# Altium PCB MainBoard_Layout_V2.PcbDoc (part 1 of 3) (continued)
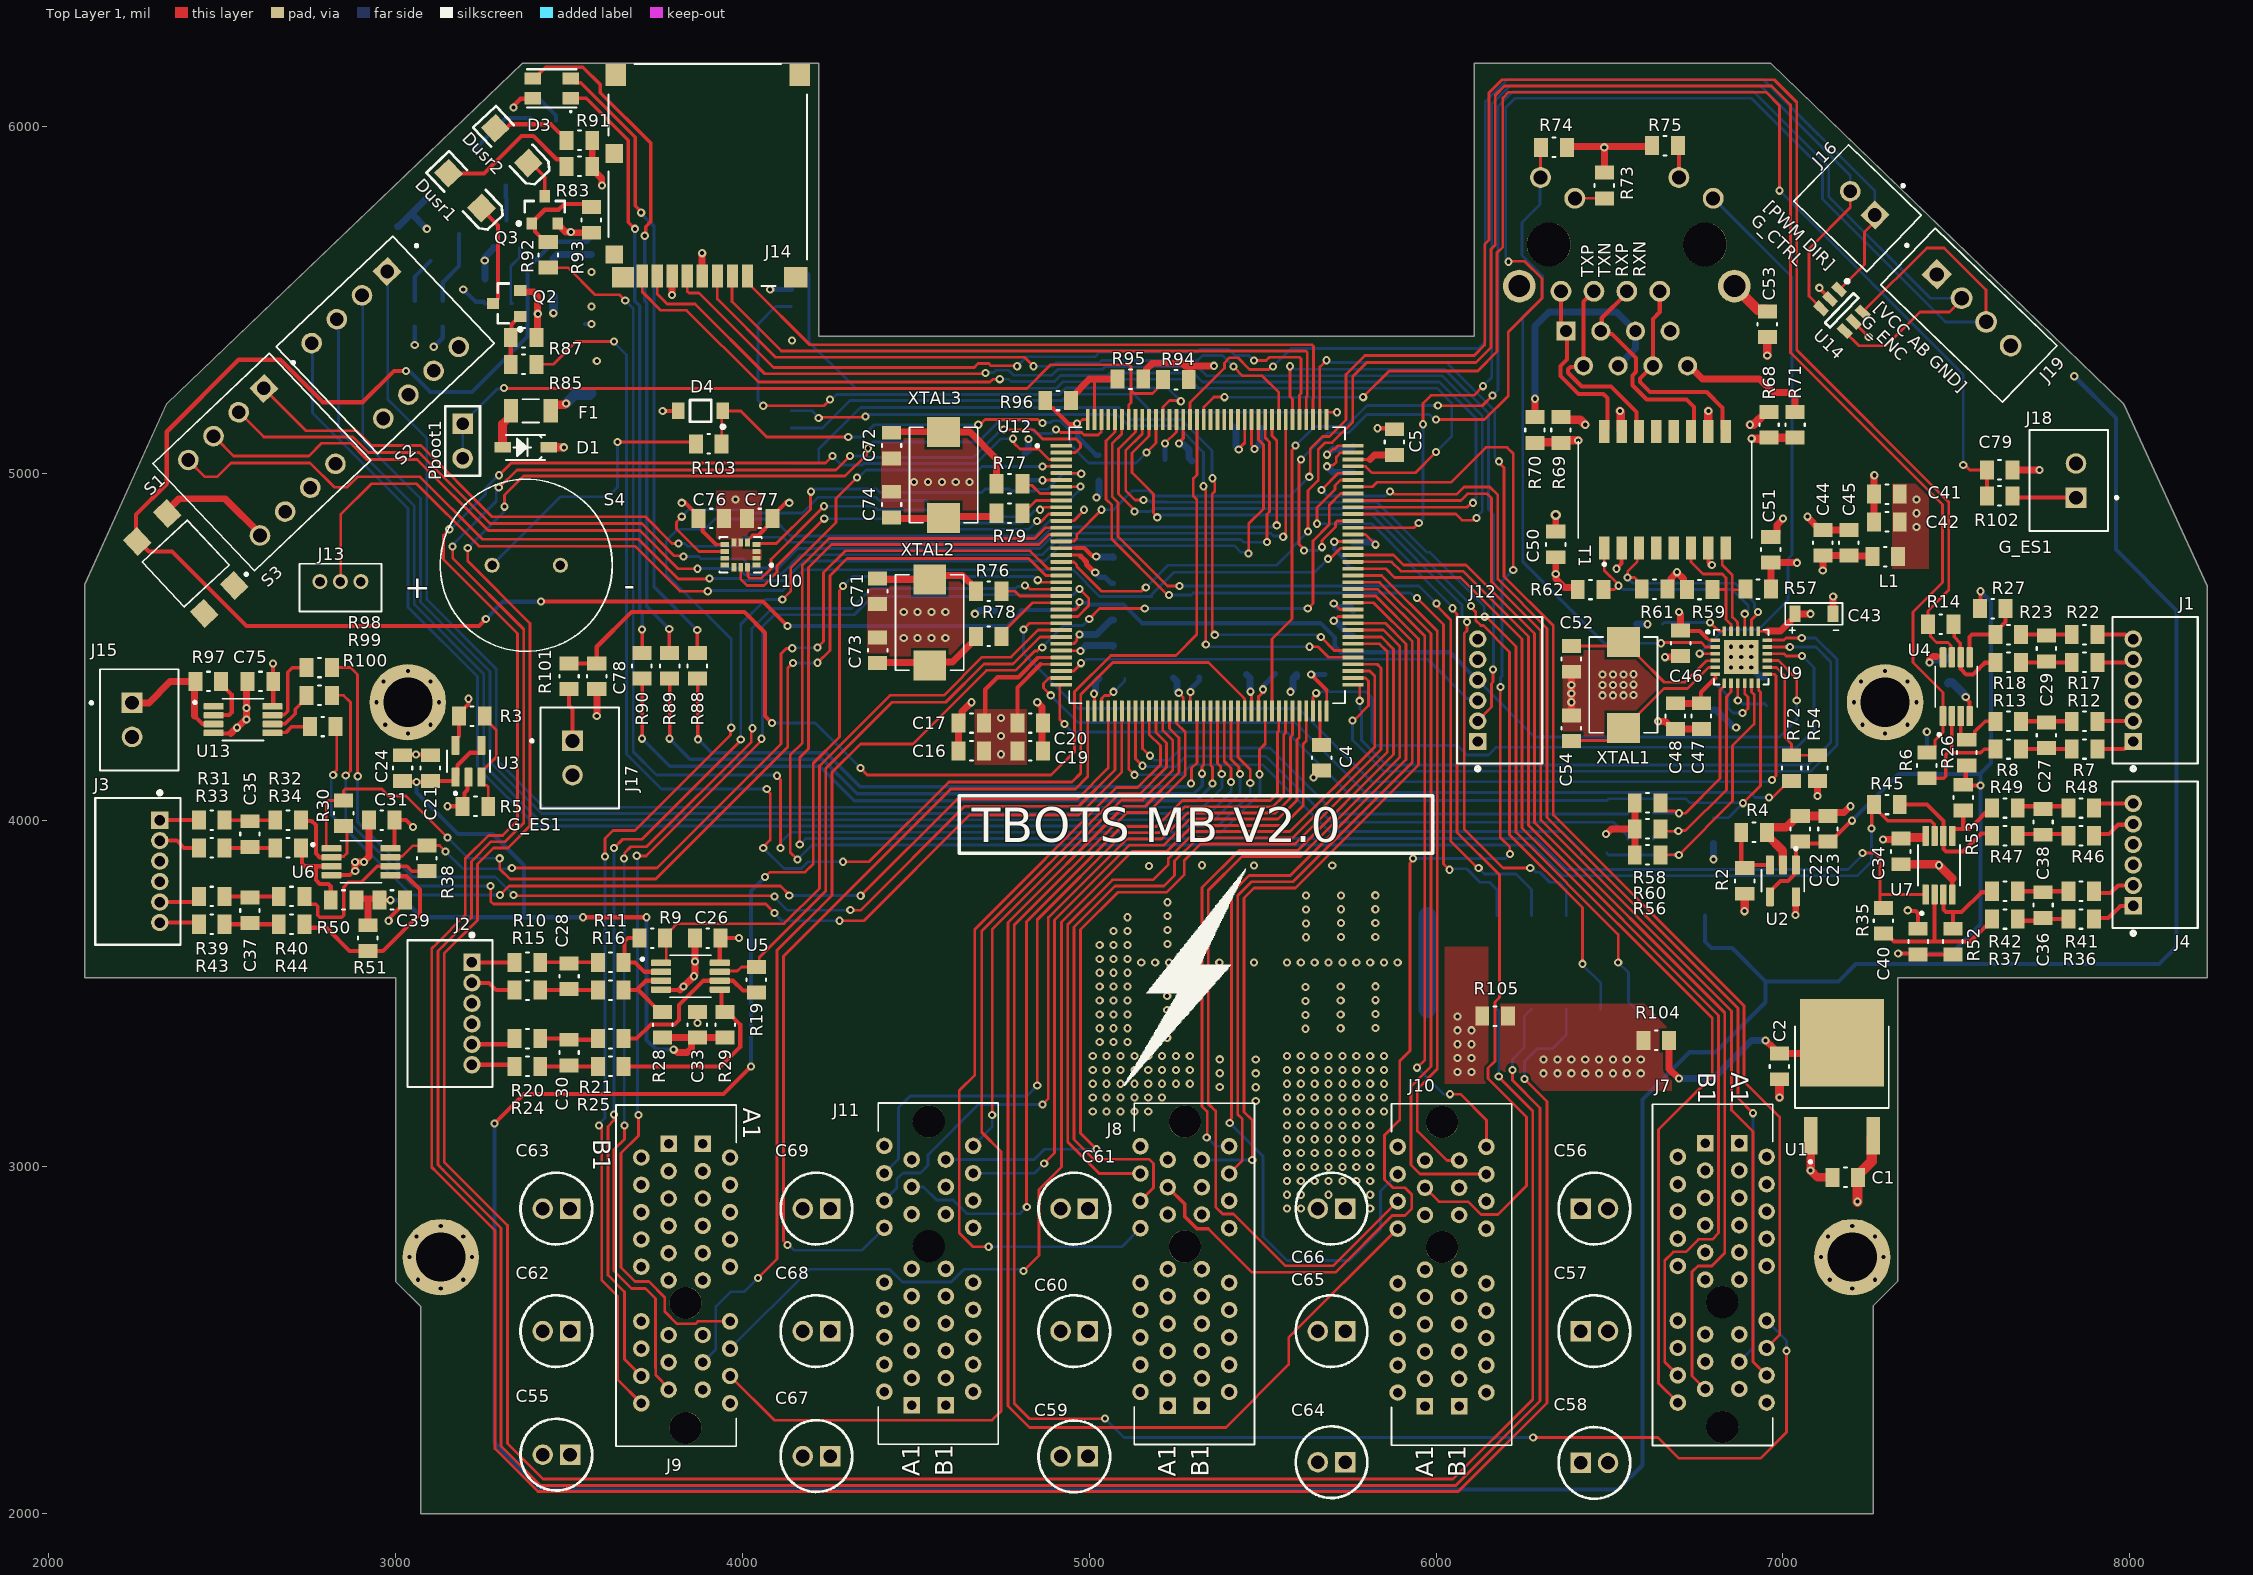
[diagram p0: Top Layer 1 view]
## Components (designator, comment, footprint, x,y, rotation, side; value= is the part's Value field where it differs from the comment)
C1 "10uF 10V" 0805 7180,2970 r180 top value=10uF
C2 "10uF 10V" 0805 6990,3290 r270 top value=10uF
C3 "4.7uF" 0805 5070,4720 r270 bottom
C4 "10uF 10V" 0805 5670,4180 r270 top value=10uF
C5 "10uF 10V" 0805 5880,5090 r90 top value=10uF
C6 "100nF 50V" 0805 5280,4410 r0 bottom value=100nF
C7 "100nF 50V" 0805 5760.47,4568 r90 bottom value=100nF
C8 "100nF 50V" 0805 5065.18,4408.38 r0 bottom value=100nF
C9 "100nF 50V" 0805 5070,4540 r90 bottom value=100nF
C10 "100nF 50V" 0805 5460,5130 r180 bottom value=100nF
C11 "100nF 50V" 0805 5030,5028 r90 bottom value=100nF
C12 "100nF 50V" 0805 5250,5035 r180 bottom value=100nF
C13 "100nF 50V" 0805 5490,4420 r0 bottom value=100nF
C14 "100nF 50V" 0805 5760.47,5040.12 r90 bottom value=100nF
C15 "100nF 50V" 0805 5635,4420 r0 bottom value=100nF
C16 "1uF 50V" 0805 4660,4200 r0 top value=1uF
C17 "100nF 50V" 0805 4660,4280 r0 top value=100nF
C18 "100nF 50V" 0805 4810,5020 r270 bottom value=100nF
C19 "1uF 50V" 0805 4830,4200 r180 top value=1uF
C20 "100nF 50V" 0805 4830,4280 r180 top value=100nF
C21 "1uF 50V" 0805 3100,4150 r90 top value=1uF
C22 "1uF 50V" 0805 7050,3975 r90 top value=1uF
C23 "0.010uF" 0805 7130,3975 r90 top
C24 "0.010uF" 0805 3020,4150 r90 top
C25 "0.010uF" 0805 7480,4435 r270 bottom
C26 "0.010uF" 0805 3900,3660 r180 top
C27 "100nF 50V" 0805 7760,4245 r90 top value=100nF
C28 "100nF 50V" 0805 3500,3550 r270 top value=100nF
C29 "100nF 50V" 0805 7760,4495 r90 top value=100nF
C30 "100nF 50V" 0805 3500,3330 r270 top value=100nF
C31 "0.010uF" 0805 2960,4000 r180 top
C32 "1uF 50V" 0805 7415,4170 r90 bottom value=1uF
C33 "1uF 50V" 0805 3870,3410 r270 top value=1uF
C34 "0.010uF" 0805 7340,3910 r270 top
C35 "100nF 50V" 0805 2580,3960 r270 top value=100nF
C36 "100nF 50V" 0805 7750,3755 r90 top value=100nF
C37 "100nF 50V" 0805 2580,3740 r270 top value=100nF
C38 "100nF 50V" 0805 7750,3995 r90 top value=100nF
C39 "1uF 50V" 0805 2990,3770 r0 top value=1uF
C40 "1uF 50V" 0805 7390,3650 r90 top value=1uF
C41 "1uF 50V" 0805 7300,4940 r0 top value=1uF
C42 "100nF 50V" 0805 7300,4860 r0 top value=100nF
C43 "10uF 10V" "1206 Polarized" 7026.89,4563.5 r0 top value=10uF
C44 "100nF 50V" 0805 7115,4800 r270 top value=100nF
C45 "100nF 50V" 0805 7190,4800 r270 top value=100nF
C46 "100nF 50V" 0805 6705,4510 r270 top value=100nF
C47 "470pF" 0805 6765,4300 r90 top
C48 "1uF 50V" 0805 6690,4300 r90 top value=1uF
C49 "100nF 50V" 0805 6945,4375 r270 bottom value=100nF
C50 "100nF 50V" 0805 6345,4795 r270 top value=100nF
C51 "100nF 50V" 0805 6965,4780 r270 top value=100nF
C52 "30pF 25V" 0805 6390,4465 r90 top value=30pF
C53 "1000pF" 0805 6955,5430 r270 top
C54 "30pF 25V" 0805 6390,4265 r270 top value=30pF
C55 "CAP POL 0.1uF 100V" CAPPRD200W50D525H1250 3502.9,2170.51 r180 top value=0.10uF
C56 "CAP POL 0.1uF 100V" CAPPRD200W50D525H1250 6417.17,2880 r0 top value=0.10uF
C57 "CAP POL 0.1uF 100V" CAPPRD200W50D525H1250 6417.17,2526.74 r0 top value=0.10uF
C58 "CAP POL 0.1uF 100V" CAPPRD200W50D525H1250 6417.17,2146.81 r0 top value=0.10uF
C59 "CAP POL 0.1uF 100V" CAPPRD200W50D525H1250 4996.21,2165.51 r180 top value=0.10uF
C60 "CAP POL 0.1uF 100V" CAPPRD200W50D525H1250 4996.21,2526.74 r180 top value=0.10uF
C61 "CAP POL 0.1uF 100V" CAPPRD200W50D525H1250 4996.21,2880 r180 top value=0.10uF
C62 "CAP POL 0.1uF 100V" CAPPRD200W50D525H1250 3502.9,2526.74 r180 top value=0.10uF
C63 "CAP POL 0.1uF 100V" CAPPRD200W50D525H1250 3502.9,2880 r180 top value=0.10uF
C64 "CAP POL 0.1uF 100V" CAPPRD200W50D525H1250 5737.82,2148.88 r180 top value=0.10uF
C65 "CAP POL 0.1uF 100V" CAPPRD200W50D525H1250 5737.82,2526.74 r180 top value=0.10uF
C66 "CAP POL 0.1uF 100V" CAPPRD200W50D525H1250 5737.82,2880 r180 top value=0.10uF
C67 "CAP POL 0.1uF 100V" CAPPRD200W50D525H1250 4252.77,2166.37 r180 top value=0.10uF
C68 "CAP POL 0.1uF 100V" CAPPRD200W50D525H1250 4252.77,2526.74 r180 top value=0.10uF
C69 "CAP POL 0.1uF 100V" CAPPRD200W50D525H1250 4252.77,2880 r180 top value=0.10uF
C70 "100nF 50V" 0805 4765,4605 r0 bottom value=100nF
C71 "5.6uF" 0805 4390,4660 r270 top
C72 "5.1pF 630V" 0805 4430,5080 r270 top value=5.1pF
C73 "5.6uF" 0805 4390,4490 r90 top
C74 "5.1pF 630V" 0805 4430,4910 r90 top value=5.1pF
C75 "0.10uF" 0805 2610,4400 r180 top
C76 "100nF 50V" 0805 3910,4870 r180 top value=100nF
C77 "100nF 50V" 0805 4050,4870 r0 top value=100nF
C78 "0.1uF 25V" 0805 3580,4415 r270 top value=0.1uF
C79 "0.1uF 25V" 0805 7625,5010 r0 top value=0.1uF
C80 "100nF 50V" 0805 5760.47,4764.53 r90 bottom value=100nF
D1 "SM5817PL-TP" SOD-123 3375,5075 r180 top
D3 "LED RGB CLEAR 4SMD 3528" "LED 4pin 3.5 x 2.8" 3450,6110 r0 top
D4 "3V3 ZENER" ONSC-SOD-123-2-425-04_V 3879.37,5180 r180 top
Dled1 "LED2" 3.2X1.6X1.1 3135,5740 r133.5 bottom
Dled2 "LED2" 3.2X1.6X1.1 3270,5880 r313.5 bottom
Dled3 "LED2" 3.2X1.6X1.1 3053.21,5662.09 r133.5 bottom
Dusr1 "LED2" 3.2X1.6X1.1 3200,5815 r313.5 top
Dusr2 "LED2" 3.2X1.6X1.1 3335,5945 r313.5 top
F1 "Fuse 3A 1206" 1206 3390,5180 r180 top
J1 "1.5mm" "6POS JST" 8010,4226.89 r90 top
J2 "1.5mm" "6POS JST" 3220,3590 r270 top
J3 "1.5mm" "6POS JST" 2320,4000 r270 top
J4 "1.5mm" "6POS JST" 8010,3752.83 r90 top
J5 "CN J00-0045NL" "RJ45 J00-0045NL" 6550,5660 r180 bottom
J6 "0.1\" Header Female 34" SAMTEC-SSM-117-X-DV 5975,3590 r0 bottom locked
J7 "CN PCIE 36 TH" "CN PCIE 36 TH" 6825,2610 r270 top
J8 "CN PCIE 36 TH" "CN PCIE 36 TH" 5275.56,2770.51 r90 top
J9 "CN PCIE 36 TH" "CN PCIE 36 TH" 3836.26,2608.03 r270 top
J10 "CN PCIE 36 TH" "CN PCIE 36 TH" 6017.17,2768.88 r90 top
J11 "CN PCIE 36 TH" "CN PCIE 36 TH" 4537.12,2771.37 r90 top
J12 "1.5mm" "6POS JST" 6120,4226.89 r90 top
J13 "CN 3POS JST B3B-ZR" "CN 3POS JST B3B-ZR" 2840.94,4688.07 r0 top
J14 "CONN MICRO SD CARD PUSH-PUSH R/A" "SD Connector 5027740891" 3900,5860 r0 top
J15 "B2B-XH-A(LF)(SN)" JST_B2B-XH-A(LF)(SN) 2260.67,4289.19 r270 top
J16 "B2B-XH-A(LF)(SN)" JST_B2B-XH-A(LF)(SN) 7215.24,5764.32 r136 top
J17 "B2B-XH-A(LF)(SN)" JST_B2B-XH-A(LF)(SN) 3530.67,4179.21 r270 top
J18 "B2B-XH-A(LF)(SN)" JST_B2B-XH-A(LF)(SN) 7824.33,4979.21 r90 top
J19 "CN 4POS JST XH" JST_B4B-XH-A(LF)(SN) 7444.2,5573.37 r316 top
L1 "IND 100UH 50MA 4 OHM SMD" 0805 7295,4760 r180 top value=100uH
Pboot1 "Header 2" HDR1X2 3193.24,5143.24 r270 top
Q1 "BSS64LT1" ONSC-SOT-23-3-318-08_V 3320,5690 r90 bottom
Q2 "BSS64LT1" ONSC-SOT-23-3-318-08_V 3320,5490 r180 top
Q3 "BSS64LT1" ONSC-SOT-23-3-318-08_V 3430,5760 r90 top
R1 "182" 0805 3135.86,5460.86 r270 bottom
R2 "100k" 0805 6890,3825 r270 top
R3 "100k" 0805 3220,4300 r180 top
R4 "100k" 0805 6917,3965 r180 top
R5 "100k" 0805 3230,4040 r0 top
R6 "64.9k" 0805 7415,4158 r270 top
R7 "330" 0805 7870,4205 r0 top
R8 "100k" 0805 7650,4205 r0 top
R9 "64.9k" 0805 3740,3660 r180 top
R10 "330" 0805 3380,3590 r180 top
R11 "100k" 0805 3620,3590 r180 top
R12 "330" 0805 7870,4285 r0 top
R13 "100k" 0805 7650,4285 r0 top
R14 "64.9k" 0805 7455,4565 r0 top
R15 "330" 0805 3380,3510 r180 top
R16 "100k" 0805 3620,3510 r180 top
R17 "330" 0805 7870,4455 r0 top
R18 "100k" 0805 7650,4455 r0 top
R19 "64.9k" 0805 4040,3540 r270 top
R20 "330" 0805 3380,3370 r180 top
R21 "100k" 0805 3620,3370 r180 top
R22 "330" 0805 7870,4535 r0 top
R23 "100k" 0805 7650,4535 r0 top
R24 "330" 0805 3380,3290 r180 top
R25 "100k" 0805 3620,3290 r180 top
R26 "64.9k" 0805 7530,4195 r270 top
R27 "64.9k" 0805 7605,4610 r180 top
R28 "64.9k" 0805 3770,3410 r270 top
R29 "64.9k" 0805 3950,3410 r270 top
R30 "64.9k" 0805 2850,4020 r270 top
R31 "330" 0805 2470,4000 r180 top
R32 "100k" 0805 2690,4000 r180 top
R33 "330" 0805 2470,3920 r180 top
R34 "100k" 0805 2690,3920 r180 top
R35 "64.9k" 0805 7290,3710 r270 top
R36 "330" 0805 7860,3715 r0 top
R37 "100k" 0805 7640,3715 r0 top
R38 "64.9k" 0805 3090,3890 r270 top
R39 "330" 0805 2470,3780 r180 top
R40 "100k" 0805 2700,3780 r180 top
R41 "330" 0805 7860,3795 r0 top
R42 "100k" 0805 7640,3795 r0 top
R43 "330" 0805 2470,3700 r180 top
R44 "100k" 0805 2700,3700 r180 top
R45 "64.9k" 0805 7300,4045 r0 top
R46 "330" 0805 7860,3955 r0 top
R47 "100k" 0805 7640,3955 r0 top
R48 "330" 0805 7860,4035 r0 top
R49 "100k" 0805 7640,4035 r0 top
R50 "64.9k" 0805 2850,3770 r0 top
R51 "64.9k" 0805 2920,3660 r90 top
R52 "64.9k" 0805 7490,3650 r270 top
R53 "64.9k" 0805 7520,4065 r90 top
R54 "10k" 0805 7100,4150 r270 top
R55 "1.5k" 0805 6800,3970 r270 bottom
R56 "10k" 0805 6610,3900 r180 top
R57 "49.9" 0805 6928.69,4666.18 r180 top
R58 "10k" 0805 6610,4050 r180 top
R59 "49.9" 0805 6760,4665 r0 top
R60 "10k" 0805 6610,3975 r180 top
R61 "49.9" 0805 6630.09,4666.07 r180 top
R62 "49.9" 0805 6445.41,4665 r0 top
R63 "33" 0805 6590,3945 r180 bottom
R64 "33" 0805 6590,4020 r180 bottom
R65 "10k" 0805 6800,4355 r270 bottom
R66 "33" 0805 6455,3905 r180 bottom
R67 "12.1k" 0805 6615,4565 r0 bottom
R68 "75" 0805 6960,5140 r270 top
R69 "75" 0805 6360,5125 r270 top
R70 "75" 0805 6285,5125 r270 top
R71 "75" 0805 7035,5140 r270 top
R72 "33" 0805 7025,4150 r270 top
R73 "270" 0805 6485,5830 r90 top
R74 "10k" 0805 6340,5940 r0 top
R75 "270" 0805 6660,5945 r180 top
R76 "JUMPER" 0805 4710,4660 r0 top value=0
R77 "JUMPER" 0805 4770,4970 r0 top value=0
R78 "JUMPER" 0805 4710,4530 r0 top value=0
R79 "JUMPER" 0805 4770,4885 r0 top value=0
R80 "JUMPER" 0805 3455,5548 r90 bottom value=0
R81 "270" 0805 3425,6025 r0 bottom
R82 "4.7k" 0805 3055,5460 r270 bottom
R83 "270" 0805 3530,5885 r180 top
R84 "47k" 0805 3295,5490 r180 bottom
R85 "47" 0805 3368.93,5314.37 r0 top
R86 "100k" 0805 3295,5560 r180 bottom
R87 "100k" 0805 3368.93,5391.15 r0 top
R88 "270" 0805 3870,4445 r90 top
R89 "270" 0805 3790,4445 r90 top
R90 "330" 0805 3710,4445 r90 top
R91 "270" 0805 3530,5960 r180 top
R92 "47k" 0805 3440,5630 r270 top
R93 "100k" 0805 3564.34,5730.72 r270 top
R94 "10k" 0805 5250,5270 r0 top
R95 "10k" 0805 5118.51,5271.49 r0 top
R96 "10k" 0805 4910,5210 r180 top
R97 "7.68k" 0805 2460,4400 r180 top
R98 "JUMPER" 0805 2780,4440 r180 top value=0
R99 "JUMPER" 0805 2780,4360 r180 top value=0
R100 "JUMPER" 0805 2790,4270 r180 top value=0
R101 "JUMPER" 0805 3500,4415 r90 top value=0
R102 "JUMPER" 0805 7625,4935 r180 top value=0
R103 "2k" 0805 3903,5085 r0 top
R104 "JUMPER" 0805 6635,3365 r0 top value=0
R105 "JUMPER" 0805 6170,3435 r180 top value=0
S1 "SW PUSH NO SMD" TL3305 2395,4740 r223 top
S2 "DS02-254-1L-04BE" SW_DS02-254-1L-04BE 2970,5370 r223.5 top
S3 "DS02-254-1L-04BE" SW_DS02-254-1L-04BE 2614.45,5032.94 r223.5 top
S4 "BUZZER" PKM13EPYH4000-A0 3370.47,4732.36 r180 top
T1 "H1102NLT" TRANSFORMER 6660,4952.91 r90 top
U1 "ZLDO1117K33TC" "DPAK (TO-252)" 7170,3255 r0 top
U2 "OP AMP SINGLE" SOT95P280X145-5N 7000,3825 r270 top
U3 "OP AMP SINGLE" SOT95P280X145-5N 3210,4170 r90 top
U4 "OP AMP DUAL" 8-MSOP 7500,4385 r90 top
U5 "OP AMP DUAL" 8-MSOP 3850,3550 r0 top
U6 "OP AMP DUAL" 8-MSOP 2900,3880 r0 top
U7 "OP AMP DUAL" 8-MSOP 7450,3870 r90 top
U9 "LAN8742A-CZ-TR" "24-QFN (4x4)" 6880,4470 r0 top
U10 "LSM6DSLTR" LGA-14 3995,4765 r180 top
U11 "STLINK-V3MODS" STLINK-V3MODS 6062.53,10290.72 r180 bottom
U12 "STM32H743ZIT6" QFP50P2200X2200X160-144N 5340,4735 r0 top locked
U13 "MAX 6682" 8-MSOP 2560,4290 r0 top
U14 "USBLC6-4SC6" SOT23-6L 7170,5470 r316 top
XTAL1 "CRYSTAL 25.0000MHZ 8PF SMD" SMD-2 6540,4390 r90 top
XTAL2 "CRYSTAL 25.0000MHZ 8PF SMD" SMD-2 4540,4570 r90 top
XTAL3 "CRYSTAL 32.7680KHZ 12.5PF SMD" SMD-2 4580,4995 r90 top

## Footprints (in the part's own frame and the unit in brackets; to place one, negate y for a bottom-side part, rotate by r counter-clockwise, add the part's x,y. Pads: shape width x height; smd on the part's side, far side on the other; paste and mask are expansions set on the pad)
3.2X1.6X1.1 [mm]
  rect 1.5x1.5 smd: 1(-1.75,0) 2(1.75,0)
  silkscreen extent -2.9,-1.15 3.2,1.15
"6POS JST" [mil]
  rect 50x50 hole 30 mask+0: 1(0,0)
  round 50 hole 30 mask+0: 2(59.06,0) 3(118.11,0) 4(177.17,0) 5(236.22,0) 6(295.28,0)
  silkscreen extent -84,-186 359,60, body extent 0,0 10,10, height 10
8-MSOP [mm]
  rrect25% 1.47x0.48 smd: 1(-2.15,0.975) 2(-2.15,0.325) 3(-2.15,-0.325) 4(-2.15,-0.975) 5(2.15,-0.975) 6(2.15,-0.325) 7(2.15,0.325) 8(2.15,0.975)
  silkscreen extent -3.62,-1.54 1.5,1.54, body extent -2.55,-1.6 2.6,1.6, height 1.09
"24-QFN (4x4)" [mm]
  rect 0.71x0.27 smd: 1(-1.9,1.25) 2(-1.9,0.75) 3(-1.9,0.25) 4(-1.9,-0.25) 5(-1.9,-0.75) 6(-1.9,-1.25) 13(1.9,-1.25) 14(1.9,-0.75) 15(1.9,-0.25) 16(1.9,0.25) 17(1.9,0.75) 18(1.9,1.25)
  rect 0.27x0.71 smd: 7(-1.25,-1.9) 8(-0.75,-1.9) 9(-0.25,-1.9) 10(0.25,-1.9) 11(0.75,-1.9) 12(1.25,-1.9) 19(1.25,1.9) 20(0.75,1.9) 21(0.25,1.9) 22(-0.25,1.9) 23(-0.75,1.9) 24(-1.25,1.9)
  rect 2.5x2.5 smd: 25(0,0)
  silkscreen extent -2.55,-2 2,2, body extent -2.05,-2.04 2.05,2.05, height 1.4
0805 [mil]
  rect 40x55 smd: 1(-37,0) 2(37,0)
  silkscreen extent -4,-28 4,28, body extent -47,-28 47,28, height 24
1206 [mm]
  rect 1.05x1.72 smd: 1(-1.46,0) 2(1.46,0)
  silkscreen extent -0.62,-0.85 0.62,0.85
"1206 Polarized" [mm]
  rect 0.8x1.2 smd: 1(0.2,0.8) 2(3,0.8)
  silkscreen extent -0.51,-0.6 3.68,1.6
CAPPRD200W50D525H1250 [mm]
  rect 1.5x1.5 hole 1: 1(0,0)
  round 1.5 hole 1: 2(2,0)
  silkscreen extent -1.63,-2.62 3.62,2.62, body extent -1.75,-2.75 3.75,2.75, height 12.5
"CN 3POS JST B3B-ZR" [mm]
  round 1.1 hole 0.7: 1(-1.5,0) 2(0,0) 3(1.5,0)
  silkscreen extent -3,-2.2 3,1.3, body extent -3,-2.16 3,1.34, height 4.5
"CN PCIE 36 TH" [mm] "AMPHENOL_10018784-10210TLF"
  rect 1.208x1.208 hole 0.7: A1(-11.65,1.25) B1(-11.65,-1.25)
  round 1.208 hole 0.7: A2(-10.65,3.25) A3(-9.65,1.25) A4(-8.65,3.25) A5(-7.65,1.25) A6(-6.65,3.25) A7(-5.65,1.25) A8(-4.65,3.25) A9(-3.65,1.25) A10(-2.65,3.25) A11(-1.65,1.25) A12(1.35,3.25) A13(2.35,1.25) A14(3.35,3.25) A15(4.35,1.25) A16(5.35,3.25) A17(6.35,1.25) A18(7.35,3.25) B2(-10.65,-3.25) B3(-9.65,-1.25) B4(-8.65,-3.25) B5(-7.65,-1.25) B6(-6.65,-3.25) B7(-5.65,-1.25) B8(-4.65,-3.25) B9(-3.65,-1.25) B10(-2.65,-3.25) B11(-1.65,-1.25) B12(1.35,-3.25) B13(2.35,-1.25) B14(3.35,-3.25) B15(4.35,-1.25) B16(5.35,-3.25) B17(6.35,-1.25) B18(7.35,-3.25)
  round 2.35 hole 2.35 unplated: ""(0,0) ""(9.15,0)
  silkscreen extent -14.5,-5.1 10.5,3.7, body extent -14.6,-5.1 10.4,3.7, height 11
"DPAK (TO-252)" [mil]
  rect 38.58x107.87 smd: 1(-90,-165) 3(90,-165)
  rect 241.67x251.97 smd paste-157.48: 2(0,103)
  silkscreen extent -135,-244 135,150, body extent -128,-185 128,205, height 97
HDR1X2 [mm] "Connector; Header; 2 Position"
  rect 1.5x1.5 hole 0.9: 1(0,0)
  round 1.5 hole 0.9: 2(2.54,0)
  silkscreen extent -1.27,-1.27 3.81,1.27
JST_B2B-XH-A(LF)(SN) [mm]
  rect 1.508x1.508 hole 1: 1(-1.25,-0.525)
  round 1.508 hole 1: 2(1.25,-0.525)
  silkscreen extent -3.7,-3.6 3.7,2.88, body extent -3.7,-2.85 3.7,2.9, height 7.1
JST_B4B-XH-A(LF)(SN) [mm]
  rect 1.59x1.59 hole 1.06: 1(0,0)
  round 1.59 hole 1.06: 2(2.5,0) 3(5,0) 4(7.5,0)
  silkscreen extent -3.16,-3.4 9.95,2.35, body extent -2.45,-3.43 9.95,2.32, height 7
"LED 4pin 3.5 x 2.8" [mm] "LED 3 COLOR 3.5mm x 2.8mm"
  rect 1.2x0.9 smd: 1(1.4,-0.725) 2(-1.4,-0.725) 3(-1.4,0.725) 4(1.4,0.725)
  silkscreen extent -1.8,-1.7 1.8,1.4, body extent -1.75,-1.4 1.75,1.4, height 1.9
LGA-14 [mm]
  rect 0.61x0.35 smd: 1(-1.16,0.75) 2(-1.16,0.25) 3(-1.16,-0.25) 4(-1.16,-0.75) 8(1.16,-0.75) 9(1.16,-0.25) 10(1.16,0.25) 11(1.16,0.75)
  rect 0.35x0.61 smd: 5(-0.5,-0.91) 6(0,-0.91) 7(0.5,-0.91) 12(0.5,0.91) 13(0,0.91) 14(-0.5,0.91)
  silkscreen extent -2.35,-1.3 1.55,1.3
ONSC-SOD-123-2-425-04_V [mm] "SOD, 2-Leads, Body 2.69x1.6mm"
  rect 0.91x1.22 smd: 1(-1.635,0) 2(1.635,0)
  silkscreen extent -1.76,-0.8 0.78,1.28, body extent -1.35,-0.8 1.35,0.8, height 1.35
ONSC-SOT-23-3-318-08_V [mm] "SOT23, 3-Leads, Body 2.92x1.3mm, Pitch 0.95mm"
  rect 0.9x0.8 smd: 1(-1,0.95) 2(-1,-0.95) 3(1,0)
  silkscreen extent -1.12,-1.46 0.65,2.03, body extent -0.65,-1.46 0.65,1.46, height 1.11
PKM13EPYH4000-A0 [mm] "Piezo Buzzer"
  round 1.1 hole 0.7: N(-2.655,-0.067) P(2.345,-0.067)
  silkscreen extent -6.46,-6.37 6.14,6.23
QFP50P2200X2200X160-144N [mm] "STM32H743ZiT6"
  rrect25% 1.56x0.28 smd: 1(-10.68,8.75) 2(-10.68,8.25) 3(-10.68,7.75) 4(-10.68,7.25) 5(-10.68,6.75) 6(-10.68,6.25) 7(-10.68,5.75) 8(-10.68,5.25) 9(-10.68,4.75) 10(-10.68,4.25) 11(-10.68,3.75) 12(-10.68,3.25) 13(-10.68,2.75) 14(-10.68,2.25) 15(-10.68,1.75) 16(-10.68,1.25) 17(-10.68,0.75) 18(-10.68,0.25) 19(-10.68,-0.25) 20(-10.68,-0.75) 21(-10.68,-1.25) 22(-10.68,-1.75) 23(-10.68,-2.25) 24(-10.68,-2.75) 25(-10.68,-3.25) 26(-10.68,-3.75) 27(-10.68,-4.25) 28(-10.68,-4.75) 29(-10.68,-5.25) 30(-10.68,-5.75) 31(-10.68,-6.25) 32(-10.68,-6.75) 33(-10.68,-7.25) 34(-10.68,-7.75) 35(-10.68,-8.25) 36(-10.68,-8.75) 73(10.68,-8.75) 74(10.68,-8.25) 75(10.68,-7.75) 76(10.68,-7.25) 77(10.68,-6.75) 78(10.68,-6.25) 79(10.68,-5.75) 80(10.68,-5.25) 81(10.68,-4.75) 82(10.68,-4.25) 83(10.68,-3.75) 84(10.68,-3.25) 85(10.68,-2.75) 86(10.68,-2.25) 87(10.68,-1.75) 88(10.68,-1.25) 89(10.68,-0.75) 90(10.68,-0.25) 91(10.68,0.25) 92(10.68,0.75) 93(10.68,1.25) 94(10.68,1.75) 95(10.68,2.25) 96(10.68,2.75) 97(10.68,3.25) 98(10.68,3.75) 99(10.68,4.25) 100(10.68,4.75) 101(10.68,5.25) 102(10.68,5.75) 103(10.68,6.25) 104(10.68,6.75) 105(10.68,7.25) 106(10.68,7.75) 107(10.68,8.25) 108(10.68,8.75)
  rrect25% 0.28x1.56 smd: 37(-8.75,-10.68) 38(-8.25,-10.68) 39(-7.75,-10.68) 40(-7.25,-10.68) 41(-6.75,-10.68) 42(-6.25,-10.68) 43(-5.75,-10.68) 44(-5.25,-10.68) 45(-4.75,-10.68) 46(-4.25,-10.68) 47(-3.75,-10.68) 48(-3.25,-10.68) 49(-2.75,-10.68) 50(-2.25,-10.68) 51(-1.75,-10.68) 52(-1.25,-10.68) 53(-0.75,-10.68) 54(-0.25,-10.68) 55(0.25,-10.68) 56(0.75,-10.68) 57(1.25,-10.68) 58(1.75,-10.68) 59(2.25,-10.68) 60(2.75,-10.68) 61(3.25,-10.68) 62(3.75,-10.68) 63(4.25,-10.68) 64(4.75,-10.68) 65(5.25,-10.68) 66(5.75,-10.68) 67(6.25,-10.68) 68(6.75,-10.68) 69(7.25,-10.68) 70(7.75,-10.68) 71(8.25,-10.68) 72(8.75,-10.68) 109(8.75,10.68) 110(8.25,10.68) 111(7.75,10.68) 112(7.25,10.68) 113(6.75,10.68) 114(6.25,10.68) 115(5.75,10.68) 116(5.25,10.68) 117(4.75,10.68) 118(4.25,10.68) 119(3.75,10.68) 120(3.25,10.68) 121(2.75,10.68) 122(2.25,10.68) 123(1.75,10.68) 124(1.25,10.68) 125(0.75,10.68) 126(0.25,10.68) 127(-0.25,10.68) 128(-0.75,10.68) 129(-1.25,10.68) 130(-1.75,10.68) 131(-2.25,10.68) 132(-2.75,10.68) 133(-3.25,10.68) 134(-3.75,10.68) 135(-4.25,10.68) 136(-4.75,10.68) 137(-5.25,10.68) 138(-5.75,10.68) 139(-6.25,10.68) 140(-6.75,10.68) 141(-7.25,10.68) 142(-7.75,10.68) 143(-8.25,10.68) 144(-8.75,10.68)
  silkscreen extent -12.54,-10.1 10.1,10.1, body extent -11,-11 11,11, height 1.73
"RJ45 J00-0045NL" [mm]
  rect 1.398x1.398 hole 0.89: 1(4.445,-6.35)
  round 1.398 hole 0.89: 2(3.175,-8.89) 3(1.905,-6.35) 4(0.635,-8.89) 5(-0.635,-6.35) 6(-1.905,-8.89) 7(-3.175,-6.35) 8(-4.445,-8.89)
  round 1.53 hole 1.02: 9(6.325,4.9) 10(3.81,3.38) 11(-3.81,4.9) 12(-6.325,3.38)
  round 3.2 hole 3.2 unplated: None(-5.715,0) None(5.715,0)
  round 2.4 hole 1.6: S1(-7.875,-3.05) S2(7.875,-3.05)
  silkscreen extent -8.13,-10.8 8.13,10.8, body extent -8.2,-10.82 8.25,10.77, height 13.68
SAMTEC-SSM-117-X-DV [mil]
  rect 50x200 smd: 1(-800,135) 2(-800,-135) 3(-700,135) 4(-700,-135) 5(-600,135) 6(-600,-135) 7(-500,135) 8(-500,-135) 9(-400,135) 10(-400,-135) 11(-300,135) 12(-300,-135) 13(-200,135) 14(-200,-135) 15(-100,135) 16(-100,-135) 17(0,135) 18(0,-135) 19(100,135) 20(100,-135) 21(200,135) 22(200,-135) 23(300,135) 24(300,-135) 25(400,135) 26(400,-135) 27(500,135) 28(500,-135) 29(600,135) 30(600,-135) 31(700,135) 32(700,-135) 33(800,135) 34(800,-135)
  silkscreen extent -1000,-173 1000,225, body extent -994,-221 994,219, height 400
"SD Connector 5027740891" [mil]
  rect 32x66 smd paste+0 mask+0: 1(114.13,-290.83) 2(70.83,-290.83) 3(27.52,-290.83) 4(-15.79,-290.83) 5(-59.09,-290.83) 6(-102.4,-290.83) 7(-145.71,-290.83) 8(-189.02,-290.83)
  rect 59x67 smd: 9(-265.77,290.33) 10(265.77,290.33)
  rect 51x55 smd paste+0 mask+0: 11(-270.04,62.09)
  rect 51x51 smd: 12(-270.04,-229.25)
  rect 63x59 smd: 13(-244.14,-294.33)